# Altium PCB SFPP.PcbDoc (part 4 of 4)
Units mil, origin at the board's own origin, x right, y up, seen from the top; angles counter-clockwise.
Board outline 3543.31 x 4228.35 mil, 8 copper layers (L1_S1, L2_PGND, L3_S2, L4_P1V2, L5_P1V8, L6_S3, L7_PGND, L8_S4), stack 62.6 mil thick; 259 components, 249 nets, 1382 pads, 813 vias.
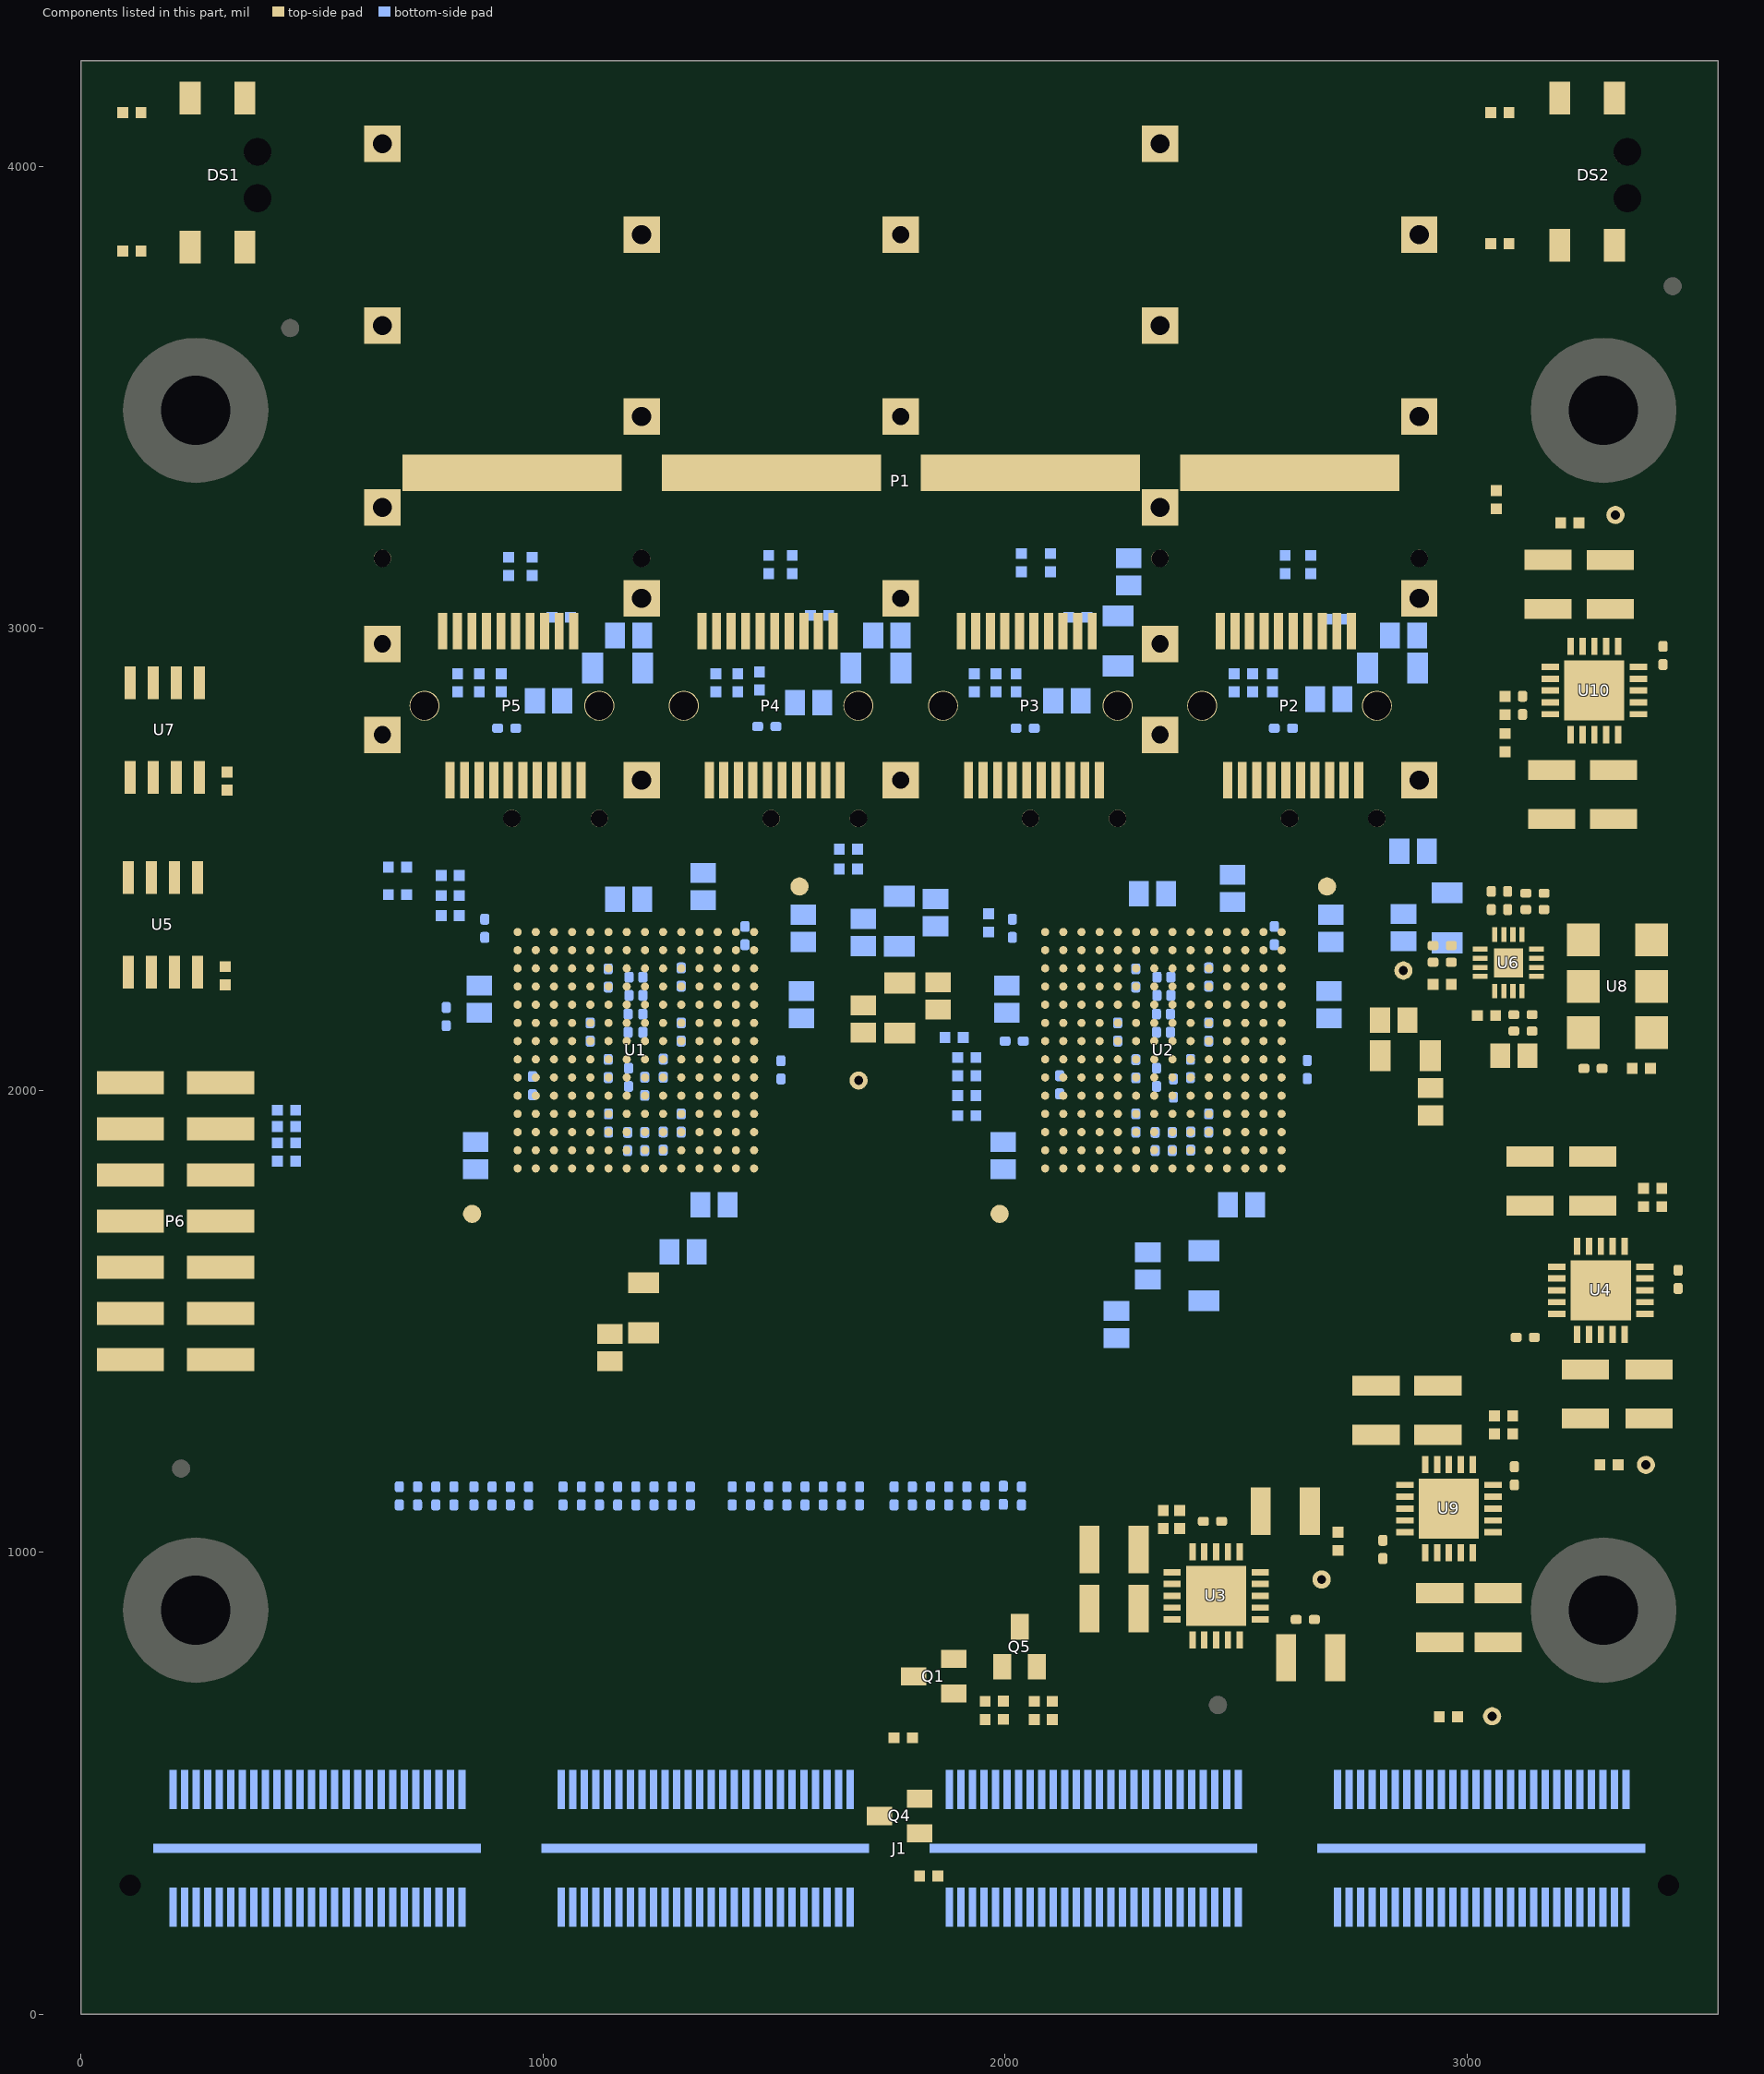
[diagram p10: the components of this part, seen from the top]

## Via types
v1: diameter 19.4, hole 10, L1_S1 to L8_S4, tented both sides, 405 vias
v2: diameter 19.4, hole 10, L1_S1 to L8_S4, 155 vias
v3: diameter 19.4, hole 10, L1_S1 to L8_S4, tented bottom, 153 vias
v4: diameter 39.37, hole 19.68, L1_S1 to L8_S4, 45 vias
v5: diameter 25.98, hole 12.99, L1_S1 to L8_S4, tented top, 36 vias
v6: diameter 39.37, hole 19.68, L1_S1 to L8_S4, tented bottom, 11 vias
v7: diameter 20, hole 10, L1_S1 to L8_S4, tented top, 4 vias
v8: diameter 39.37, hole 19.68, L1_S1 to L8_S4, tented top, 2 vias
v9: diameter 39.37, hole 19.68, L1_S1 to L8_S4, tented both sides, 1 vias
v10: diameter 19.4, hole 10, L1_S1 to L8_S4, tented top, 1 vias

## Nets (pads, with @x,y where several pads share a name; then routed paths per layer and width w, separated by ;. In a path a pad name is that pad's centre, name@x,y a point inside that pad or via, vN(x,y) a via of type N, cw(c..) or ccw(c..) an arc to the next point about the centre after c; other vN are vias at no path point) (continued)
copper on no net: | length 1683.7
  L1_S1 w5: v1(925.2,2125.99) 944.88,2106.3 ; v1(925.2,2204.73) 944.88,2185.04 ; v1(964.57,2125.99) 984.25,2106.3 ; v1(964.57,2204.73) 984.25,2185.04 ; v2(1034.92,2931.69) 1034.92,2993.7 ; v1(1043.31,2125.99) 1062.99,2106.3 ; v1(1082.68,2125.99) 1102.36,2106.3 ; 1220.47,2263.78 v1(1240.16,2283.47) ; 1220.47,2342.52 v1(1240.16,2362.21) ; 1259.84,2263.78 v1(1279.53,2283.47) ; 1259.84,2342.52 v1(1279.53,2362.21) ; 1299.21,1948.82 v1(1318.9,1929.13) ; 1299.21,2027.56 v1(1318.9,2007.87) ; 1299.21,2066.93 v1(1318.9,2047.24) ; 1299.21,2106.3 v1(1318.9,2125.99) ; 1299.21,2145.67 v1(1318.9,2165.36) ; 1338.58,2066.93 v1(1358.27,2047.24) ; 1338.58,2106.3 v1(1358.27,2125.99) ; 1377.95,1988.19 v1(1397.64,1968.5) ; 1377.95,2106.3 v1(1397.64,2125.99) ; 1417.32,2066.93 v1(1437.01,2047.24) ; 1417.32,2145.67 v1(1437.01,2165.36) ; 1456.69,2066.93 v1(1476.38,2047.24) ; 1456.69,2145.67 v1(1476.38,2165.36) ; v2(1595.94,2931.69) 1595.94,2993.7 ; v1(2066.93,2125.99) 2086.61,2106.3 ; v1(2066.93,2204.73) 2086.61,2185.04 ; v1(2106.3,2125.99) 2125.98,2106.3 ; v1(2106.3,2204.73) 2125.98,2185.04 ; v2(2156.96,2931.69) 2156.96,2993.7 ; v1(2185.04,2125.99) 2204.72,2106.3 ; v1(2224.41,2125.99) 2244.09,2106.3 ; 2362.2,2263.78 v1(2381.89,2283.47) ; 2362.2,2342.52 v1(2381.89,2362.21) ; 2401.57,2263.78 v1(2421.26,2283.47) ; 2401.57,2342.52 v1(2421.26,2362.21) ; 2440.94,1948.82 v1(2460.63,1929.13) ; 2440.94,2027.56 v1(2460.63,2007.87) ; 2440.94,2066.93 v1(2460.63,2047.24) ; 2440.94,2106.3 v1(2460.63,2125.99) ; 2440.94,2145.67 v1(2460.63,2165.36) ; 2480.31,2066.93 v1(2500,2047.24) ; 2480.31,2106.3 v1(2500,2125.99) ; 2519.68,1988.19 v1(2539.37,1968.5) ; 2519.68,2106.3 v1(2539.37,2125.99) ; 2559.06,2066.93 v1(2578.74,2047.24) ; 2559.06,2145.67 v1(2578.74,2165.36) ; 2598.43,2066.93 v1(2618.11,2047.24) ; 2598.43,2145.67 v1(2618.11,2165.36) ; v2(2717.99,2931.69) 2717.99,2993.7
  L1_S1 w19.68: 2920.61,1945.47 v8(2971.54,1945.47)
  L8_S4 w6: v3(2744.29,429.29) 2744.29,486.5 ; 2994.29,486.5 2994.29,533.34

## Polygon pours and split planes (outlines as drawn)
VDD12_0 on L6_S3 "L6_S3-vdd12_0" (solid, pour order 13): 1102.36,2185.04 1299.21,2185.04 1299.21,1870.08 1299.21,1673.23 1240.16,1614.17 1181.1,1614.17 1181.1,1714.24 1181.1,1751.97 1141.73,1791.34 1141.73,2027.56 1102.36,2027.56
VDD12_1 on L6_S3 "L6_S3-vdd12_1" (solid, pour order 16): 2244.09,2185.04 2440.94,2185.04 2440.94,1673.23 2381.89,1614.17 2322.83,1614.17 2322.83,1751.97 2283.46,1791.34 2283.46,2027.56 2244.09,2027.56
3V3 on L6_S3 "L6_S3-3v3" (solid, pour order 14): 1771.65,99.43 1771.65,256.91 1909.45,394.7 2539.37,394.7 2539.37,1556.12 2933.07,1949.82 2933.07,2894.7 3523.62,2894.7 3523.62,99.43 3484.25,60.06 1811.02,60.06
3V3 on L6_S3 "L6_S3-No Net" (solid, pour order 12): 3523.58,2892.8 3523.96,2893.17 3523.96,3228.1 3094.96,3228.1 3092.96,3226.1 3094.96,3224.1 3094.96,2890.1 3520.88,2890.1 3523.58,2892.8
3V3 on L3_S2 "L3_S2-3v3" (solid, pour order 11): 3051.18,2952.76 984.25,2952.76 984.25,3169.29 3051.18,3169.29
VDD18_0 on L3_S2 "L3_S2-vdd18" (solid, pour order 17): 1102.36,2224.41 1102.36,2145.67 1535.43,2145.67 1673.23,2283.46 1673.23,2342.52 1614.17,2342.52 1496.06,2224.41
VDD18_1 on L3_S2 "L3_S2-vdd18_1" (solid, pour order 18): 2244.09,2224.41 2244.09,2145.67 2677.17,2145.67 2814.96,2283.46 2814.96,2342.52 2755.91,2342.52 2637.8,2224.41
SHGND on L1_S1 "L1_S1-SHGND" (solid, pour order 15): 551.18,4147.24 551.18,2533.07 2992.13,2533.07 2992.13,4147.24
GND on L1_S1 "L1_S1-No Net" (solid, pour order 10): 3200,2380 3200,2069 3452,2069 3452,2380 3200,2380
GND on L2_PGND (split plane): 3523.21,20.1 20.1,20.1 20.1,4208.25 3523.21,4208.25
1V2_1 on L4_P1V2 (split plane): 3523.21,1138.96 2415.5,1138.96 2009.04,1545.42 2009.04,2415.21 2136.95,2543.13 3523.21,2543.13
1V5 on L4_P1V2 (split plane): 3523.21,20.1 1776.75,20.1 1776.75,1014.59 2413.39,1014.59 2415.34,1014.98 2416.99,1016.08 2418.1,1017.73 2418.48,1019.68 2418.48,1128.76 3523.21,1128.76
1V2_0 on L4_P1V2 (split plane): 3523.21,2553.33 2134.84,2553.33 2132.89,2552.94 2131.24,2551.83 2000.33,2420.93 1999.23,2419.27 1998.84,2417.32 1998.84,1543.31 1999.23,1541.36 2000.33,1539.7 2408.29,1131.75 2408.29,1024.78 1771.65,1024.78 1769.7,1024.39 1768.05,1023.29 1766.94,1021.64 1766.56,1019.68 1766.56,20.1 20.1,20.1 20.1,4208.25 3523.21,4208.25
1V8 on L5_P1V8 (split plane): 3523.21,20.1 20.1,20.1 20.1,4208.25 3523.21,4208.25
GND on L7_PGND (split plane): 3523.21,20.1 20.1,20.1 20.1,4208.25 3523.21,4208.25

## Keep-outs
Keep-Out Layer:
  the board outline again, w8

## Other copper
L4_P1V2 (plane layer: these items are gaps in the copper):
  lines w10: 1771.65,2.5 1771.65,1019.68 2413.39,1019.68 2413.39,1133.86 ; 3545.59,1141.73 3537.72,1133.86 2413.39,1133.86 ; 3545.59,2542.32 3539.69,2548.23 2134.84,2548.23 2003.94,2417.32 2003.94,1543.31 2413.39,1133.86

## Silkscreen, mask and mechanical layers (free items; w line width, h text height)
Top Overlay:
  lines w5: 2843,2288 2896,2288 2904,2280 ; 3170,2141 3190,2141 ; 3170,2164 3190,2164 3190,2057 3182,2049
  text "2V5" at 3381,2634 h28
  text "1V8" at 2943,1736 h28
  text "1V2_1" at 2624,1245 h28
  text "SFP+" at 605,1125 h150
  text "Mezzanine Card" at 970,1122.62 h150
  text "1V2_0" at 2302,1114 h28 r90
  text "REV 0      Nov 2011" at 640,1025 h60
  text "SKA South Africa" at 639.31,965.61 h60
Mechanical 1:
  the board outline again, w0